# Altium PCB WunderBar_v102b.PcbDoc (part 1 of 7)
Units mil, origin at the board's own origin, x right, y up, seen from the top; angles counter-clockwise.
Board outline 4556.01 x 1552 mil, 4 copper layers (Top, Route2, Route15, Bottom), stack 52.756 mil thick; 380 components, 258 nets, 1400 pads, 528 vias.
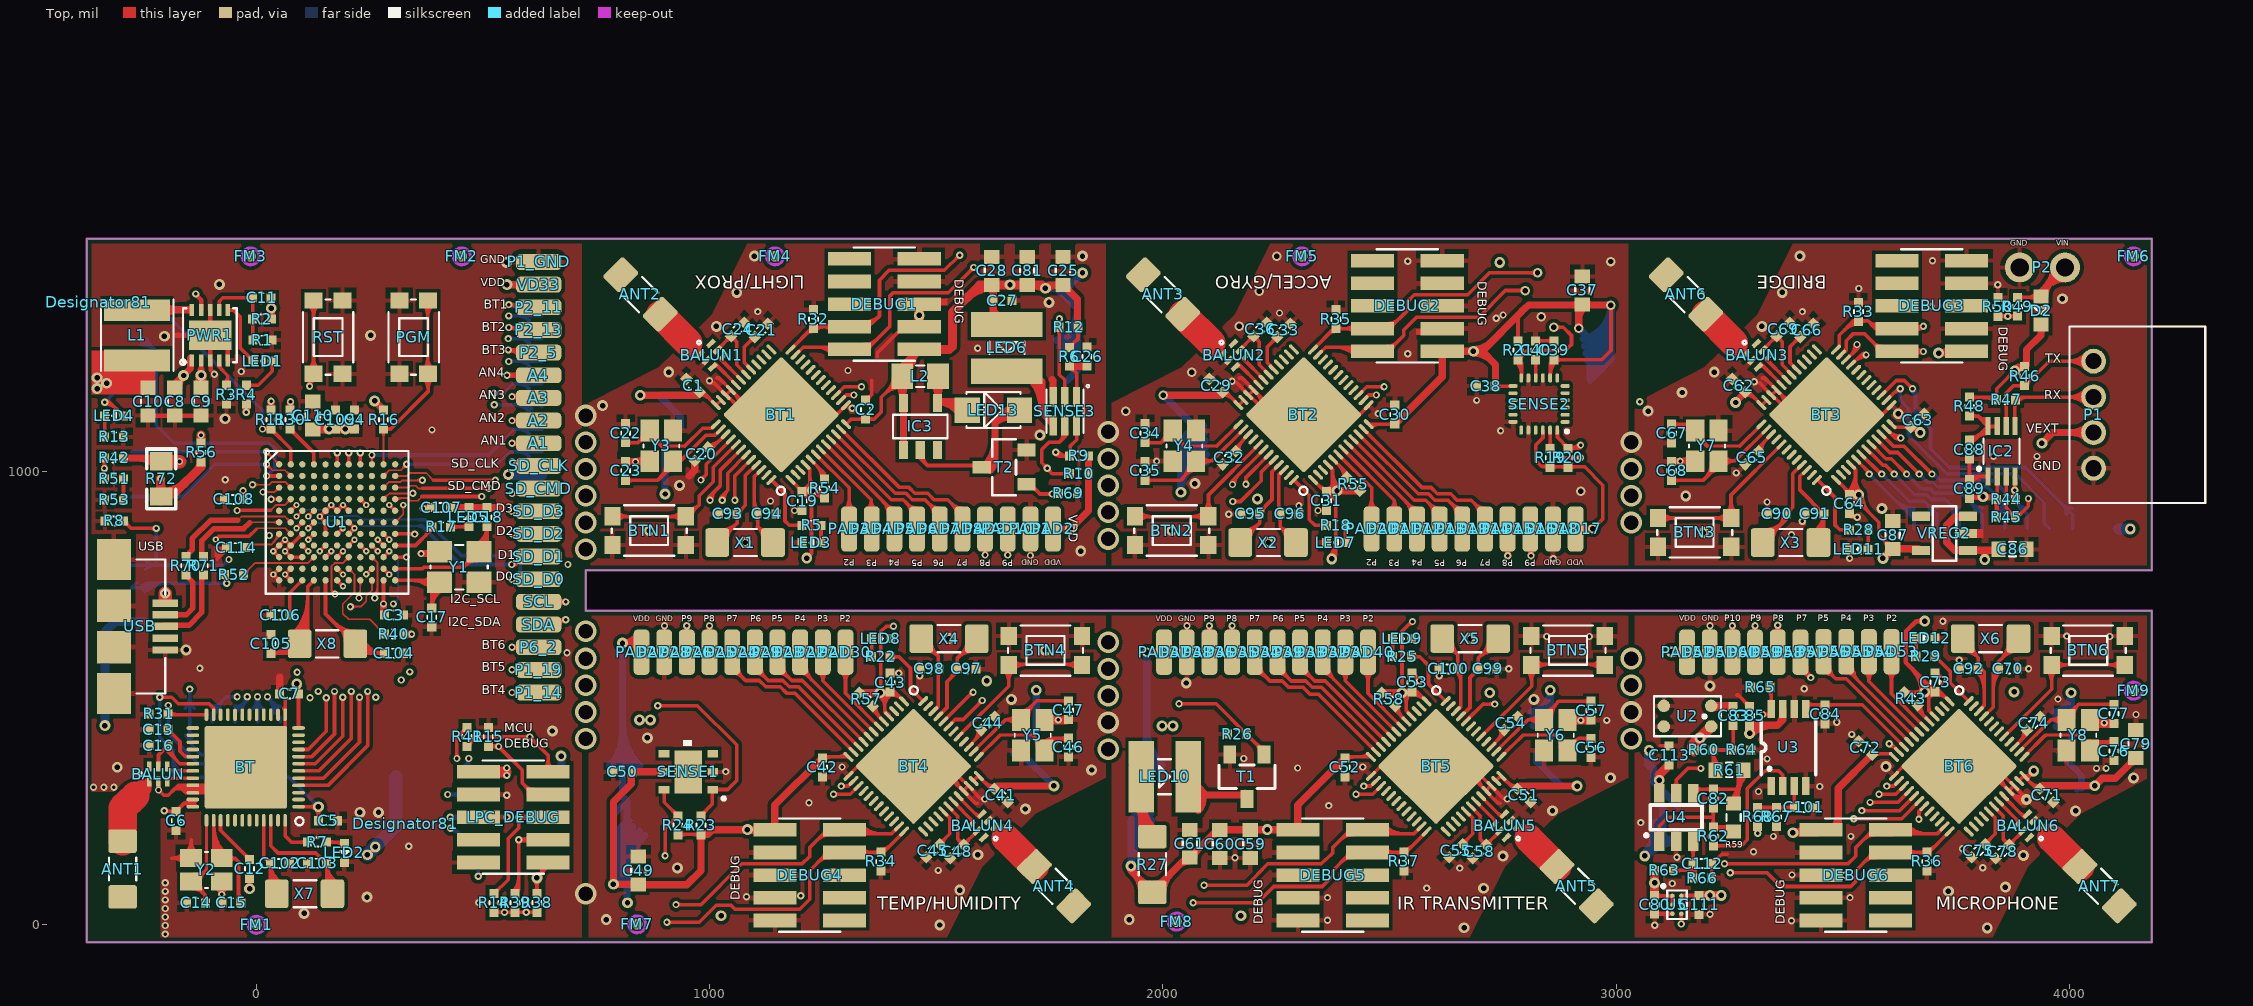
[diagram p0: Top view]
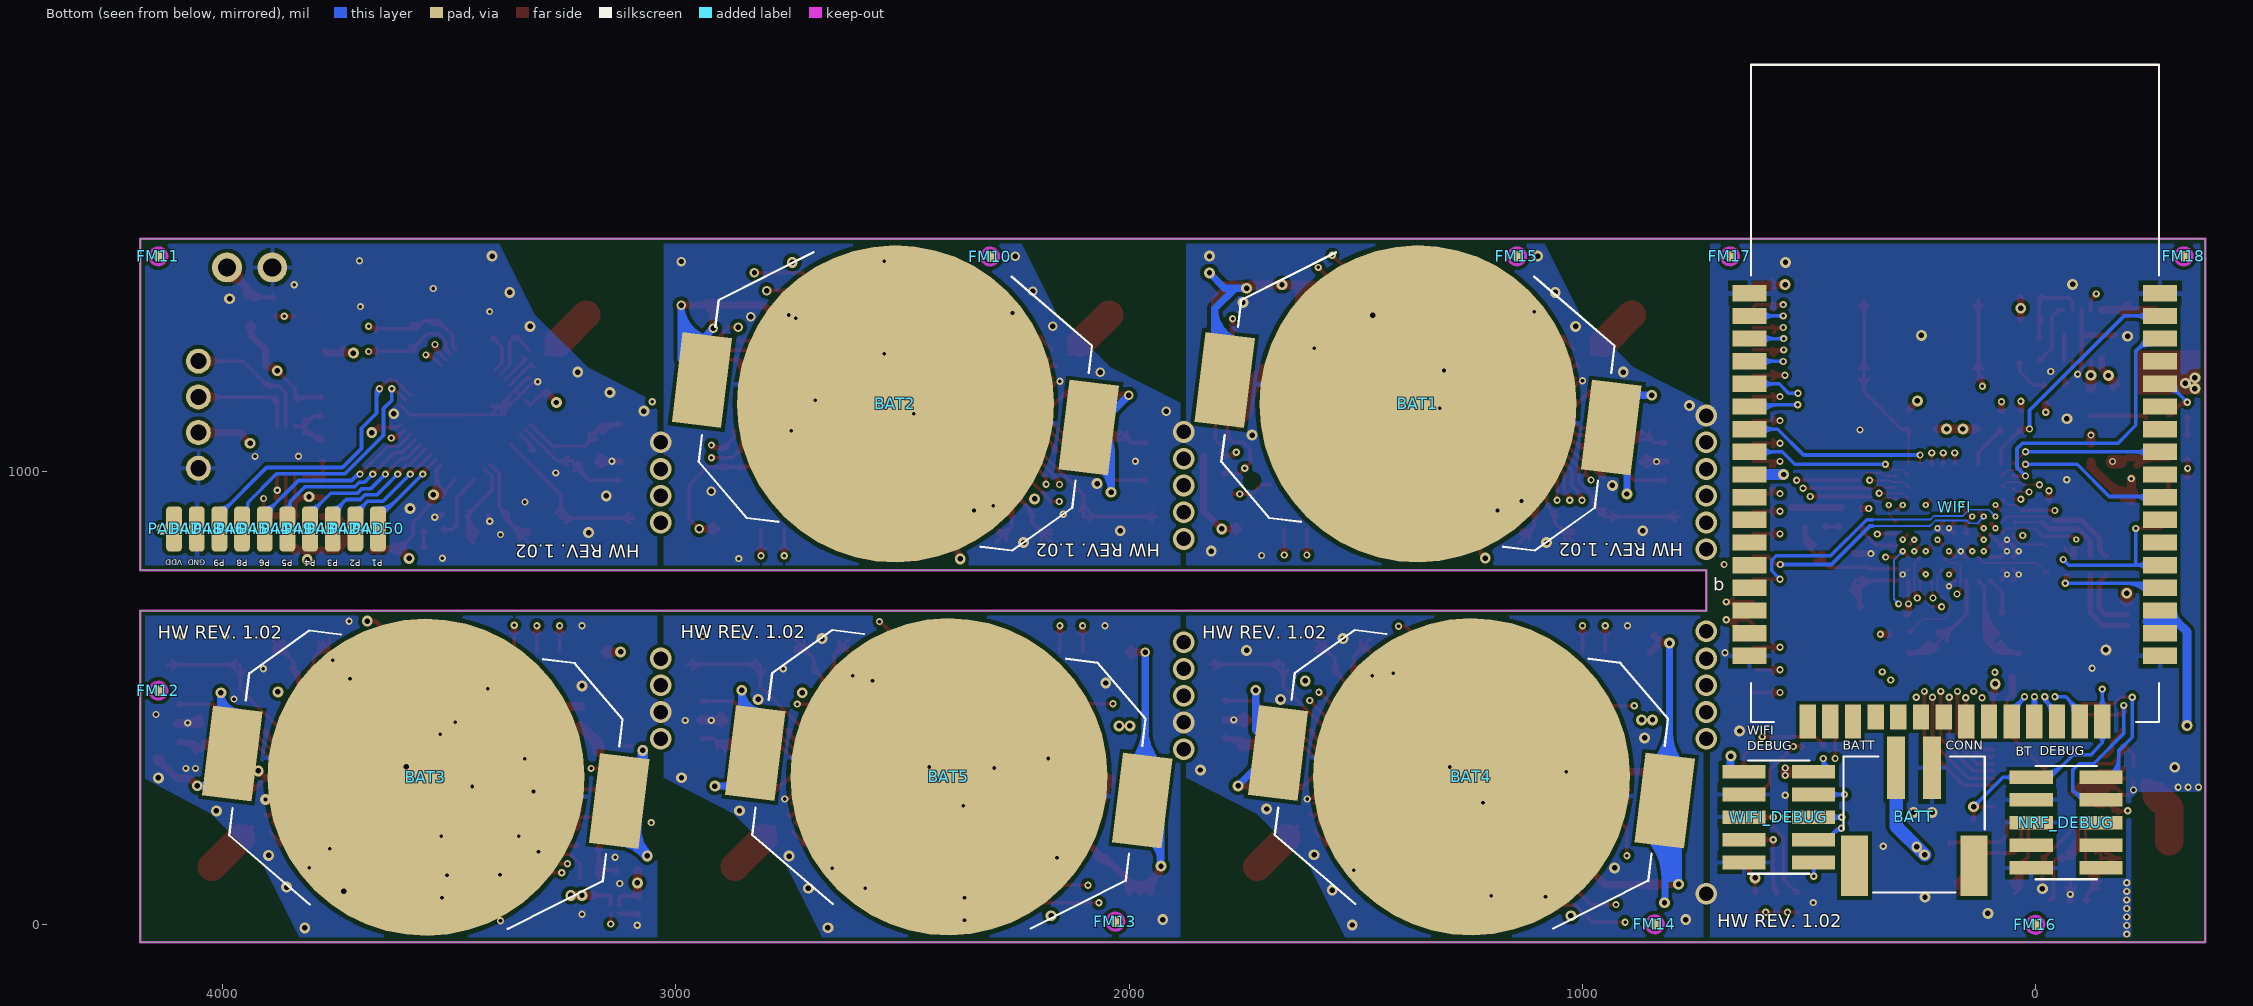
[diagram p1: Bottom view, seen from below]
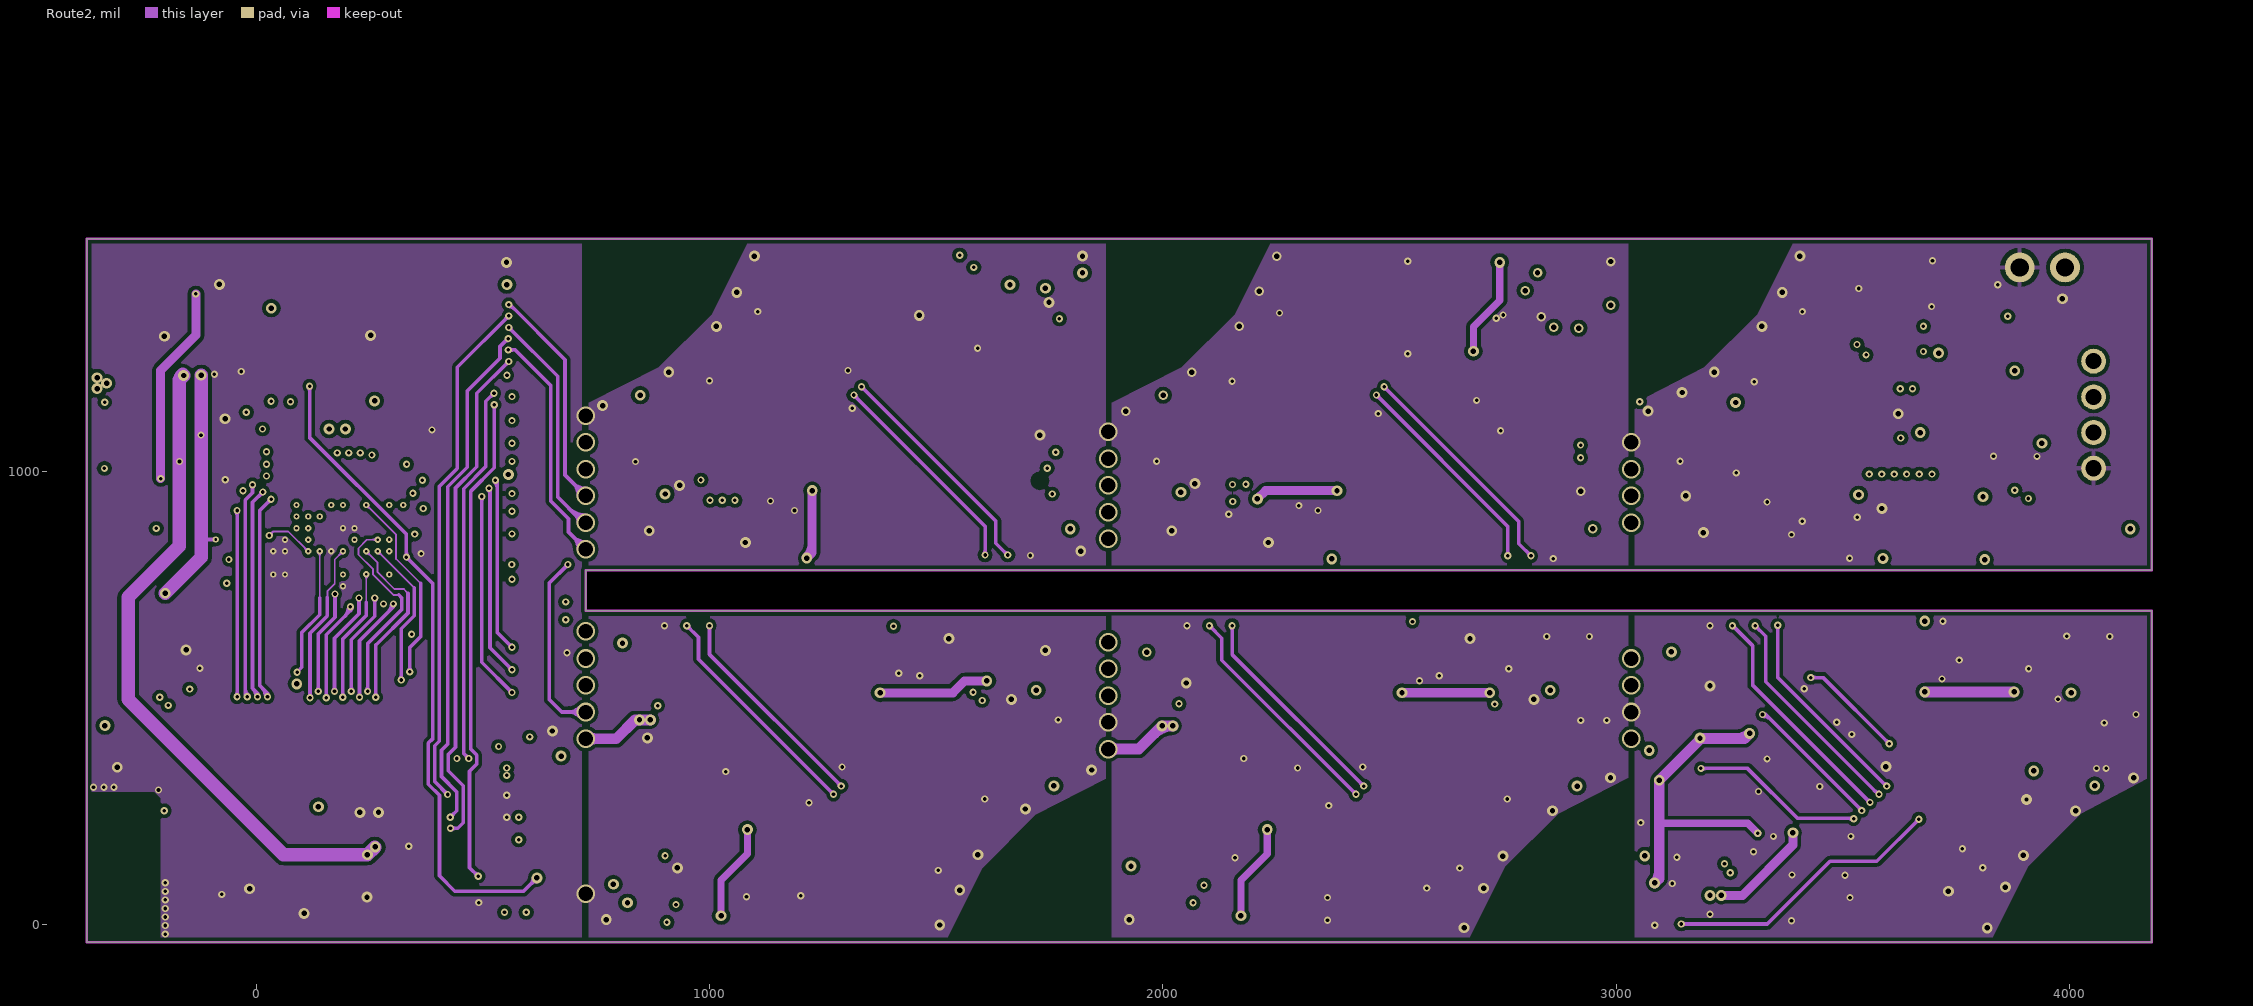
[diagram p2: Route2]
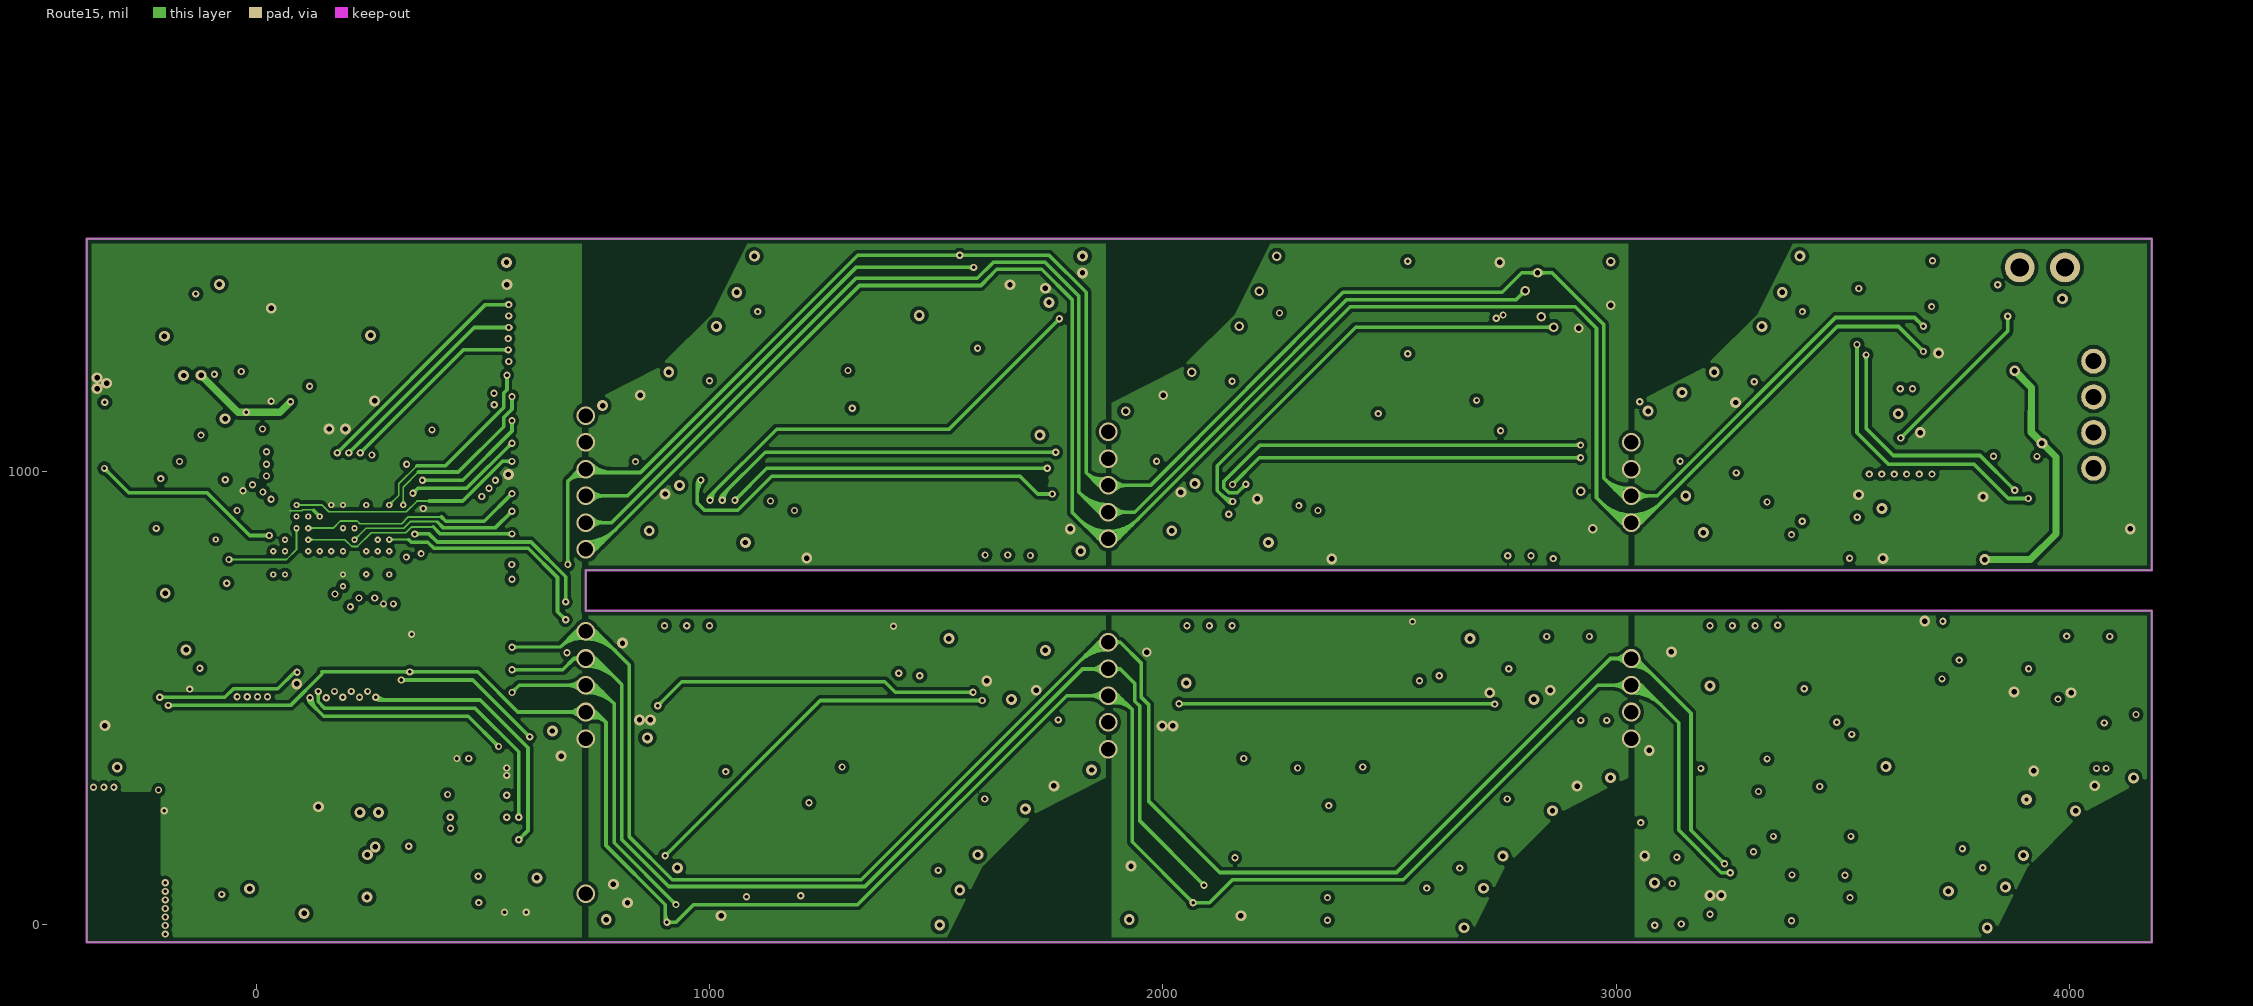
[diagram p3: Route15]
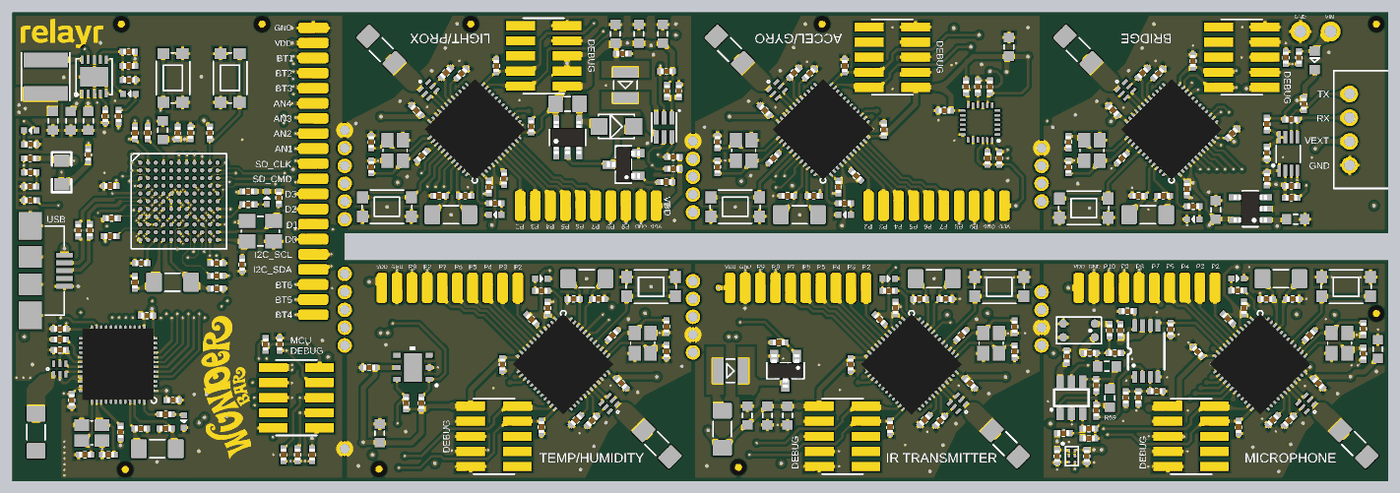
[diagram p10: 3D render of the assembled board from above, using the file's embedded part models]

## Layer stack, top to bottom
Top Solder: solder mask 0.4, Solder Resist, Dk 3.5
Top: signal copper 1.378
Dielectric1: core 15.748, FR-4, Dk 4.8
Route2: signal copper 1.378
Dielectric2: prepreg 15.748, FR-4, Dk 4.8
Route15: signal copper 1.378
Dielectric3: core 15.748, FR-4, Dk 4.8
Bottom: signal copper 1.378
Bottom Solder: solder mask 0.4, Solder Resist, Dk 3.5

## Board outline
-374.52,-38.52 -374.52,1513.48 4181.47,1513.48 4181.49,1513.47 4181.49,781.99 4181.48,781.98 726.48,781.98 726.48,693.01 4181.48,693.01 4181.48,-38.52

## Design rules (kind name [scope] priority, off if disabled: settings)
Clearance TrackPad_chipROOM [IsTrack vs IsPad] p1: gap=3.5
Clearance vIAPad_chipROOM [IsVia vs IsPad] p2: gap=4
Clearance mdViaVia [IsVia vs IsVia] p3: gap=5.91
Clearance mdPadVia [IsPad vs IsVia] p4: gap=5.91
Clearance mdPadPad [IsPad vs IsPad] p5: gap=5.91
Clearance mdWireVia [(InLayerClass('Signal Layers') AND IsTrack) vs IsVia] p6: gap=5.91
Clearance mdWirePad [(InLayerClass('Signal Layers') AND IsTrack) vs IsPad] p7: gap=5.91
Clearance mdWireWire [(InLayerClass('Signal Layers') AND IsTrack) vs (InLayerClass('Signal Layers') AND IsTrack)] p8: gap=5.91
Clearance polygon_rule [InPolygon] p9: gap=8
Clearance [All] p10: gap=3.5
HoleSize [All] p1: absolutevalues=TRUE maxlimit=100000 minlimit=6 maxpercent=80.000 minpercent=20.000
HoleToHoleClearance [All] p1: gap=8 allowstackedmicrovias=TRUE
MinimumSolderMaskSliver [All] p1: minsoldermaskwidth=0
MinimumSolderMaskSliver MinimumSolderMaskSliver_chip [TouchesRoom('MK24FN1M0VDC12')] p2 off: minsoldermaskwidth=3
PolygonConnect ThermalVias [IsVia] p1: connectstyle=Direct reliefconductorwidth=10 reliefentries=4 polygonreliefangle="90 Angle" airgapwidth=10
PolygonConnect [All] p2: connectstyle=Relief reliefconductorwidth=10 reliefentries=4 polygonreliefangle="90 Angle" airgapwidth=10
RoutingVias [All] p1: holewidth=28 width=50 viastyle="Through Hole" minholewidth=6 minwidth=14 maxholewidth=28 maxwidth=50
SilkToSilkClearance [All] p1 off: silktosilkclearance=10
SilkToSolderMaskClearance [IsPad] p1 off: minsilkscreentomaskgap=10 clearancetoexposedcopper=TRUE
SolderMaskExpansion [All] p1: expansion=4
UnpouredPolygon [All] p1: allowunpoured=FALSE
Width [All] p1: maxlimit=100000 minlimit=4 preferedwidth=10 minimp=50.000000 maximp=50.000000 favimp=50.000000
24 further rules are at their usual default settings.

## Classes and differential pairs
component class BT_main: ANT1 BALUN BT C5 C6 C7 C12 C13 C14 C15 C16 C102 C103 LED2 R7 R31 X7 Y2
component class JTAG_SWD: LPC_DEBUG NRF_DEBUG WIFI_DEBUG
component class "module 1_main": ANT2 BALUN1 BAT1 BT1 BTN1 C1 C2 C19 C20 C21 C22 C23 C24 C25 C26 C27 C28 C81 C93 C94 DEBUG1 IC3 L2 LED3 LED6 LED13 PAD1 PAD2 PAD3 PAD4 PAD5 PAD6 PAD7 PAD8 PAD9 PAD10 R5 R6 R9 R10 R12 R32 R54 R69 SENSE3 T2 X1 Y3
component class "module 2_main": ANT3 BALUN2 BAT2 BT2 BTN2 C29 C30 C31 C32 C33 C34 C35 C36 C37 C38 C39 C40 C95 C96 DEBUG2 LED7 PAD11 PAD12 PAD13 PAD14 PAD15 PAD16 PAD17 PAD18 PAD19 PAD20 R18 R19 R20 R21 R35 R55 SENSE2 X2 Y4
component class "module 3_main": ANT6 BALUN3 BT3 BTN3 C62 C63 C64 C65 C66 C67 C68 C69 C86 C87 C88 C89 C90 C91 D2 DEBUG3 IC2 LED11 P1 P2 PAD41 PAD42 PAD43 PAD44 PAD45 PAD46 PAD47 PAD48 PAD49 PAD50 R28 R33 R44 R45 R46 R47 R48 R49 R50 VREG2 X3 Y7
component class "module 4_main": ANT4 BALUN4 BAT4 BT4 BTN4 C41 C42 C43 C44 C45 C46 C47 C48 C49 C50 C97 C98 DEBUG4 LED8 PAD21 PAD22 PAD23 PAD24 PAD25 PAD26 PAD27 PAD28 PAD29 PAD30 R22 R23 R24 R34 R57 SENSE1 X4 Y5
component class "module 5_main": ANT5 BALUN5 BAT5 BT5 BTN5 C51 C52 C53 C54 C55 C56 C57 C58 C59 C60 C61 C99 C100 DEBUG5 LED9 LED10 PAD31 PAD32 PAD33 PAD34 PAD35 PAD36 PAD37 PAD38 PAD39 PAD40 R25 R26 R27 R37 R58 T1 X5 Y6
component class "module 6_main": ANT7 BALUN6 BAT3 BT6 BTN6 C70 C71 C72 C73 C74 C75 C76 C77 C78 C79 C80 C82 C83 C84 C85 C92 C101 C111 C112 C113 DEBUG6 LED12 PAD51 PAD52 PAD53 PAD54 PAD55 PAD56 PAD57 PAD58 PAD59 PAD60 R29 R36 R43 R59 R60 R61 R62 R63 R64 R65 R66 R67 R68 U2 U3 U4 U5 X6 Y8
component class Power_main: BATT C8 C9 C10 C11 L1 LED1 PWR1 R1 R2 R3 R4 R42 R51 R53 R56 R72
component class USB: A1 A2 A3 A4 P1_14 P1_19 P1_GND P2_5 P2_11 P2_13 P6_2 R70 R71 SCL SD_CLK SD_CMD SD_D0 SD_D1 SD_D2 SD_D3 SDA USB VD33
component class WiFi: LED4 R8 R11 R13 WIFI
component class WunderBar_v104: C3 C4 C17 C18 C104 C105 C106 C107 C108 C109 C110 C114 FM1 FM2 FM3 FM4 FM5 FM6 FM7 FM8 FM9 FM10 FM11 FM12 FM13 FM14 FM15 FM16 FM17 FM18 LED5 PGM R14 R15 R16 R17 R30 R38 R39 R40 R41 R52 RST U1 X8 Y1

## Components (designator, comment, footprint, x,y, rotation, side; value= is the part's Value field where it differs from the comment)
A1 "P1" PCB_MEDIUM_RECT_PAD 622.48,1062.48 r180 top
A2 "P1" PCB_MEDIUM_RECT_PAD 622.48,1112.48 r180 top
A3 "P1" PCB_MEDIUM_RECT_PAD 622.48,1162.48 r180 top
A4 "P1" PCB_MEDIUM_RECT_PAD 622.48,1212.48 r180 top
ANT1 "2450AT18A100E" 1206_MINIMELF_COMBO -295.52,123.48 r270 top
ANT2 "2450AT18A100E" 1206_MINIMELF_COMBO 847.48,1390.48 r135 top
ANT3 "2450AT18A100E" 1206_MINIMELF_COMBO 2000.48,1390.48 r135 top
ANT4 "2450AT18A100E" 1206_MINIMELF_COMBO 1759.48,85.48 r315 top
ANT5 "2450AT18A100E" 1206_MINIMELF_COMBO 2912.48,85.48 r315 top
ANT6 "2450AT18A100E" 1206_MINIMELF_COMBO 3154.48,1390.48 r135 top
ANT7 "2450AT18A100E" 1206_MINIMELF_COMBO 4066.48,85.48 r315 top
BALUN "2450BM14A0002T" 6-PIN-0603 -216.52,332.48 r90 top
BALUN1 "2450BM14A0002T" 6-PIN-0603 1004.48,1256.48 r45 top
BALUN2 "2450BM14A0002T" 6-PIN-0603 2157.48,1256.48 r45 top
BALUN3 "2450BM14A0002T" 6-PIN-0603 3311.48,1256.48 r45 top
BALUN4 "2450BM14A0002T" 6-PIN-0603 1602.48,218.48 r225 top
BALUN5 "2450BM14A0002T" 6-PIN-0603 2755.48,218.48 r225 top
BALUN6 "2450BM14A0002T" 6-PIN-0603 3909.48,218.48 r225 top
BAT1 "BATTERYBK-912" BK-912 1362.48,1149.48 r7 bottom
BAT2 "BATTERYBK-912" BK-912 2515.48,1149.48 r7 bottom
BAT3 "BATTERYBK-912" BK-912 3551.48,325.48 r187 bottom
BAT4 "BATTERYBK-912" BK-912 1244.48,326.48 r187 bottom
BAT5 "BATTERYBK-912" BK-912 2397.48,326.48 r187 bottom
BATT "HDR-1X2JST-PH-H" S2B-PH-SM4-TB 267.48,190.35 r0 bottom
BT "NRF51822QFN48" QFN48_EP -23.52,347.48 r180 top
BT1 "NRF51822QFN48" QFN48_EP 1157.48,1125.48 r135 top
BT2 "NRF51822QFN48" QFN48_EP 2310.48,1125.48 r135 top
BT3 "NRF51822QFN48" QFN48_EP 3464.48,1125.48 r135 top
BT4 "NRF51822QFN48" QFN48_EP 1449.48,349.48 r315 top
BT5 "NRF51822QFN48" QFN48_EP 2602.48,349.48 r315 top
BT6 "NRF51822QFN48" QFN48_EP 3756.48,349.48 r315 top
BTN1 "Tact Sw 4.6x2.8" CK-KMR2 866.48,869.48 r90 top
BTN2 "Tact Sw 4.6x2.8" CK-KMR2 2019.48,869.48 r90 top
BTN3 "Tact Sw 4.6x2.8" CK-KMR2 3173.48,865.48 r90 top
BTN4 "Tact Sw 4.6x2.8" CK-KMR2 1740.48,605.48 r270 top
BTN5 "Tact Sw 4.6x2.8" CK-KMR2 2893.48,605.48 r270 top
BTN6 "Tact Sw 4.6x2.8" CK-KMR2 4041.5,605.5 r270 top
C1 "1nF" 0402 963.48,1189.48 r135 top
C2 "100nF" 0402 1343.87,1136.52 r90 top
C3 "100nF" 0402 302.76,683.48 r0 top
C4 "100nF" 0402 216.4,1114.48 r90 top
C5 "100nF" 0402 157.48,229.48 r0 top
C6 "100nF" 0402 -177.52,229.48 r270 top
C7 "1nF" 0402 71.95,509.48 r180 top
C8 "10µF" 0603 -180.48,1154.48 r270 top
C9 "10µF" 0603 -122.52,1154.48 r270 top
C10 "10µF" 0603 -239.48,1154.48 r270 top
C11 "10pF" 0402 11.48,1383.48 r180 top
C12 "100nF" 0402 -15.52,123.48 r270 top
C13 "47nF" 0402 -216.52,430.48 r180 top
C14 "10pF" 0402 -133.52,48.48 r180 top
C15 "10pF" 0402 -55.52,48.48 r180 top
C16 "1nF" 0402 -216.52,395.48 r180 top
C17 "12pF" 0402 386.48,678.48 r270 top
C18 "12pF" 0402 508.52,899.52 r90 top
C19 "100nF" 0402 1203.81,935.04 r270 top
C20 "100nF" 0402 981.48,1038.48 r225 top
C21 "47nF" 0402 1113.48,1311.48 r45 top
C22 "10pF" 0402 814.48,1084.48 r90 top
C23 "10pF" 0402 814.48,1001.48 r90 top
C24 "1nF" 0402 1061.48,1313.48 r45 top
C25 "10µF" 0603 1779.48,1442.48 r90 top
C26 "1uF" 0402 1832.48,1253.48 r90 top
C27 "1uF" 0402 1645.48,1377.48 r0 top
C28 "10µF" 0603 1622.48,1442.48 r90 top
C29 "1nF" 0402 2117.48,1189.48 r135 top
C30 "100nF" 0402 2511.48,1125.48 r90 top
C31 "100nF" 0402 2360.81,935.52 r270 top
C32 "100nF" 0402 2146.48,1030.48 r225 top
C33 "47nF" 0402 2266.48,1311.48 r45 top
C34 "10pF" 0402 1960.48,1084.48 r90 top
C35 "10pF" 0402 1960.48,1001.48 r90 top
C36 "1nF" 0402 2214.48,1313.48 r45 top
C37 "10µF" 0603 2925.48,1399.48 r90 top
C38 "100nF" 0402 2712.48,1188.48 r180 top
C39 "10nF" 0402 2862.48,1267.48 r90 top
C40 "100nF" 0402 2822.48,1267.48 r90 top
C41 "1nF" 0402 1642.48,285.48 r315 top
C42 "100nF" 0402 1248.48,347.48 r270 top
C43 "100nF" 0402 1398.16,534.28 r90 top
C44 "100nF" 0402 1613.48,444.48 r45 top
C45 "47nF" 0402 1492.48,163.48 r225 top
C46 "10pF" 0402 1791.48,391.48 r270 top
C47 "10pF" 0402 1791.48,473.48 r270 top
C48 "1nF" 0402 1545.48,161.48 r225 top
C49 "10µF" 0603 842.48,119.48 r90 top
C50 "100nF" 0402 807.48,337.48 r180 top
C51 "1nF" 0402 2796.48,285.48 r315 top
C52 "100nF" 0402 2401.48,347.48 r270 top
C53 "100nF" 0402 2549.86,534.43 r90 top
C54 "100nF" 0402 2767.48,444.48 r45 top
C55 "47nF" 0402 2646.48,163.48 r225 top
C56 "10pF" 0402 2944.48,390.48 r270 top
C57 "10pF" 0402 2944.48,472.48 r270 top
C58 "1nF" 0402 2698.48,161.48 r225 top
C59 "10µF" 0603 2192.48,178.48 r270 top
C60 "10µF" 0603 2125.48,178.48 r270 top
C61 "10µF" 0603 2059.48,178.48 r90 top
C62 "1nF" 0402 3270.48,1189.48 r135 top
C63 "100nF" 0402 3665,1112.96 r45 top
C64 "100nF" 0402 3514.81,929 r270 top
C65 "100nF" 0402 3299.48,1030.48 r225 top
C66 "47nF" 0402 3420.48,1311.48 r45 top
C67 "10pF" 0402 3122.48,1084.48 r270 top
C68 "10pF" 0402 3122.48,1001.48 r90 top
C69 "1nF" 0402 3368.48,1313.48 r45 top
C70 "12pF" 0402 3864.74,564.49 r180 top
C71 "1nF" 0402 3949.48,285.48 r315 top
C72 "100nF" 0402 3550.02,390.33 r135 top
C73 "100nF" 0402 3703.67,534.87 r90 top
C74 "100nF" 0402 3921.1,444.1 r45 top
C75 "47nF" 0402 3799.48,163.48 r225 top
C76 "10pF" 0402 4098.48,383.48 r270 top
C77 "10pF" 0402 4098.48,465.48 r270 top
C78 "1nF" 0402 3852.48,161.48 r225 top
C79 "10µF" 0603 4146.68,398.32 r90 top
C80 "100nF" 0402 3085,44 r90 top
C81 "10µF" 0603 1700.48,1442.48 r90 top
C82 "8pF" 0402 3214.3,278.75 r270 top
C83 "1uF" 0402 3258.28,460.7 r90 top
C84 "100nF" 0402 3461.08,464.2 r90 top
C85 "100nF" 0402 3294.4,461.03 r270 top
C86 "10µF" 0603 3874.48,828.48 r0 top
C87 "10µF" 0603 3610.48,859.48 r90 top
C88 "100nF" 0402 3779.48,1048.48 r270 top
C89 "100nF" 0402 3779.48,961.48 r90 top
C90 "12pF" 0402 3354.48,906.48 r0 top
C91 "12pF" 0402 3437.48,906.48 r0 top
C92 "12pF" 0402 3777.72,564.49 r0 top
C93 "12pF" 0402 1039.48,906.48 r0 top
C94 "12pF" 0402 1125.48,906.48 r180 top
C95 "12pF" 0402 2192.48,906.48 r0 top
C96 "12pF" 0402 2279.48,906.48 r180 top
C97 "12pF" 0402 1566.48,564.48 r180 top
C98 "12pF" 0402 1484.48,564.48 r0 top
C99 "12pF" 0402 2716.48,564.48 r180 top
C100 "12pF" 0402 2629.48,564.48 r0 top
C101 "100nF" 0402 3414.2,259.05 r180 top
C102 "12pF" 0402 51.48,135.48 r180 top
C103 "12pF" 0402 133.48,135.48 r0 top
C104 "12pF" 0402 302.76,599.17 r0 top
C105 "12pF" 0402 31.7,619.83 r90 top
C106 "100nF" 0402 52.7,683.48 r180 top
C107 "100nF" 0402 407.15,920.52 r0 top
C108 "100nF" 0402 -49.89,938.52 r180 top
C109 "100nF" 0402 173.75,1114.48 r90 top
C110 "2.2uF" 0603 124.1,1123.48 r90 top
C111 "1uF" 0402 3183,44 r270 top
C112 "1uF" 0402 3190.17,135 r180 top
C113 "100nF" 0402 3116.96,373.96 r270 top
C114 "100nF" 0402 -45.22,832 r0 top
D2 "SD0603S040S0R2" 0603_POLAR 3937.48,1355.48 r270 top
DEBUG1 "DEBUG" 2X05_SMT 1385.48,1369.48 r90 top
DEBUG2 "DEBUG" 2X05_SMT 2539.48,1365.48 r90 top
DEBUG3 "DEBUG" 2X05_SMT 3696.48,1365.48 r90 top
DEBUG4 "DEBUG" 2X05_SMT 1220.48,109.48 r270 top
DEBUG5 "DEBUG" 2X05_SMT 2374.48,109.48 r270 top
DEBUG6 "DEBUG" 2X05_SMT 3528.49,109.49 r270 top
Designator81 "Comment" RELAYR-LOGO -348.28,1375.1 r0 top
Designator81 "Comment" WunderBar_LOGO 329.24,224.37 r90 top
FM1 "FIDUCIAL MARK" "FIDUCIAL MARK 0.6MM" 0,0 r90 top
FM2 "FIDUCIAL MARK" "FIDUCIAL MARK 0.6MM" 453,1475 r90 top
FM3 "FIDUCIAL MARK" "FIDUCIAL MARK 0.6MM" -13,1475 r90 top
FM4 "FIDUCIAL MARK" "FIDUCIAL MARK 0.6MM" 1144,1475 r90 top
FM5 "FIDUCIAL MARK" "FIDUCIAL MARK 0.6MM" 2307,1475 r90 top
FM6 "FIDUCIAL MARK" "FIDUCIAL MARK 0.6MM" 4142.04,1475 r90 top
FM7 "FIDUCIAL MARK" "FIDUCIAL MARK 0.6MM" 840,1 r90 top
FM8 "FIDUCIAL MARK" "FIDUCIAL MARK 0.6MM" 2030,7 r90 top
FM9 "FIDUCIAL MARK" "FIDUCIAL MARK 0.6MM" 4142.04,516.55 r90 top
FM10 "FIDUCIAL MARK" "FIDUCIAL MARK 0.6MM" 2306.52,1474.52 r270 bottom
FM11 "FIDUCIAL MARK" "FIDUCIAL MARK 0.6MM" 4142.04,1475 r270 bottom
FM12 "FIDUCIAL MARK" "FIDUCIAL MARK 0.6MM" 4142.04,516.55 r270 bottom
FM13 "FIDUCIAL MARK" "FIDUCIAL MARK 0.6MM" 2030,7 r270 bottom
FM14 "FIDUCIAL MARK" "FIDUCIAL MARK 0.6MM" 840,1 r270 bottom
FM15 "FIDUCIAL MARK" "FIDUCIAL MARK 0.6MM" 1144,1475 r270 bottom
FM16 "FIDUCIAL MARK" "FIDUCIAL MARK 0.6MM" 0,0 r270 bottom
FM17 "FIDUCIAL MARK" "FIDUCIAL MARK 0.6MM" 674,1475 r270 bottom
FM18 "FIDUCIAL MARK" "FIDUCIAL MARK 0.6MM" -327,1475 r270 bottom
IC2 "PCA9306" US8 3850.48,1044.48 r90 top
IC3 "ZXLD383" SOT-23-5 1464.48,1099.48 r0 top
L1 "10uH" INDUCTOR_40X40 -263.52,1301.12 r270 top
L2 "47uH" 0805_MICROMELF_COMBO 1464.48,1210.48 r180 top
LED1 "YELLOW" 0402_POLAR 13.71,1243.92 r180 top